# Altium PCB Netscale48HD_Sensorbar_Slave.PcbDoc (part 2 of 3)
Units mm, origin at the board's own origin, x right, y up, seen from the top; angles counter-clockwise.
Board outline 461.31 x 16.8 mm, 6 copper layers (Top Layer, PWR_Layer, Top_Signal_Layer, Bottom_Signal_Layer, GND_Layer, Bottom Layer), stack 0.778 mm thick; 214 components, 131 nets, 657 pads, 295 vias.
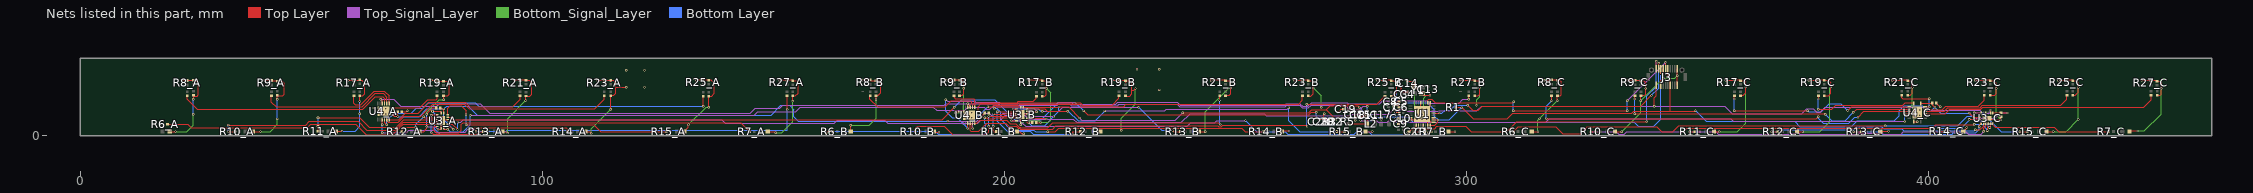
[diagram p6: the nets of this part, all layers, seen from the top]

## Via types
v1: diameter 0.5, hole 0.3, Top Layer to Bottom Layer, tented both sides, 239 vias
v2: diameter 0.6, hole 0.3, Top Layer to Bottom Layer, tented both sides, 24 vias
v3: diameter 0.55, hole 0.3, Top Layer to Bottom Layer, tented both sides, 23 vias
v4: diameter 0.55, hole 0.3, Top Layer to Bottom Layer, tented bottom, 9 vias

## Nets (pads, with @x,y where several pads share a name; then routed paths per layer and width w, separated by ;. In a path a pad name is that pad's centre, name@x,y a point inside that pad or via, vN(x,y) a via of type N, cw(c..) or ccw(c..) an arc to the next point about the centre after c; other vN are vias at no path point)
3V3: C28_A.2 C28_B.2 C28_C.2 C30_A.2 C30_B.2 C30_C.2 FB1.2 J3.12 J3.13 R1.2 R2.1 U1.16 U1.18 U1.19 U3_A.10 U3_A.16 U3_B.10 U3_B.16 U3_C.10 U3_C.16 U4_A.16 U4_B.16 U4_C.16 | length 428.2
  Top Layer w0.254: U4_A.16@67.567,4.55 67.905,4.212 68.694,4.212 C28_A.2@68.694,5.25 ; C30_A.2@77.912,6.05 78.112,5.85 v1(78.642,5.85) U3_A.16@78.642,4.95 ; U3_A.10@79.542,2.05 79.565,2.027 80.072,2.027 v1(80.681,1.418) ; U4_B.16@194.317,3.737 194.602,3.737 v1(195.089,4.224) 195.089,4.299 195.733,4.943 C28_B.2@195.733,4.973 ; U3_B.16@204.048,6.223 204.048,6.227 204.071,6.25 211.78,6.25 v1(211.805,6.276) 213.893,6.276 v1(216.292,3.877) ; U3_B.10@204.948,3.323 204.953,3.317 204.953,2.836 v1(205.311,2.836) 205.981,2.836 C30_B.2@206.04,2.896 ; v1(238.577,5.012) 265.872,5.012 266.486,5.626 268.066,5.626 268.072,5.62 269.651,5.62 ; R2.1@271.672,3.599 269.651,5.62 ; v1(276.773,6.168) 276.443,6.498 270.53,6.498 269.651,5.62 ; v1(284.652,5.121) 284.698,5.075 285.395,5.075 FB1.2@285.441,5.029 ; U1.16@292.14,2.233 292.14,2.263 292.153,2.276 293.139,2.276 293.802,2.939 293.802,3.407 v1(293.849,3.454) 293.119,3.454 U1.18@293.115,3.458 ; U1.18@292.865,3.458 U1.19@292.865,3.958 ; R1.2@297.699,6.223 297.727,6.196 298.95,6.196 301.423,3.723 308.801,3.723 309.992,4.914 335.804,4.914 336.211,5.322 344.123,5.322 ; J3.12@343.6,14.55 343.6,13 344.1,12.5 J3.13@344.1,10.95 344.123,10.927 344.123,5.322 ; v1(349.592,5.474) 349.44,5.322 344.123,5.322 ; U4_C.16@398.318,7.043 398.318,7.087 398.331,7.1 C28_C.2@400.818,7.1 400.961,6.957 400.961,6.625 v1(401.408,6.178) ; v1(408.858,4.958) 409.751,4.066 U3_C.16@411.042,4.066 ; U3_C.10@413.942,4.966 413.947,4.971 415.687,4.971 C30_C.2@415.692,4.976 v1(417.093,4.976)
  Top_Signal_Layer w0.254: v1(187.708,3.223) 194.021,3.223 195.022,4.224 v1(195.089,4.224) 195.752,4.887 196.7,4.887 197.363,4.224 199.091,4.224 199.754,4.887 204.926,4.887 205.6,4.212 210.703,4.212 v1(210.715,4.224) ; v1(216.292,3.877) 216.778,3.391 236.956,3.391 v1(238.577,5.012) ; v1(408.858,4.958) 410.006,3.81 414.387,3.81 415.553,4.976 v1(417.093,4.976)
  Bottom Layer w0.254: v1(68.706,4.2) 73.301,4.2 74.987,5.886 78.606,5.886 v1(78.642,5.85) ; v1(80.681,1.418) 78.642,3.457 v1(78.642,5.85) ; v1(187.708,3.223) 155.355,3.223 154.459,4.119 154.459,5.708 153.551,6.617 151.623,6.617 149.517,4.51 85.91,4.51 83.943,6.478 79.27,6.478 v1(78.642,5.85) ; v1(205.311,2.836) 205.906,2.241 208.732,2.241 211.805,5.314 v1(211.805,6.276) ; v1(276.773,6.168) 276.773,6.162 276.779,6.162 278.233,4.708 284.24,4.708 v1(284.652,5.121) 286.708,7.176 291.548,7.176 293.037,5.687 293.037,4.267 v1(293.849,3.454) 296.264,3.454 v1(298.977,6.168) ; v1(349.592,5.474) 351.923,3.143 371.057,3.143 372.192,2.008 383.332,2.008 384.589,3.265 392.562,3.265 393.694,4.397 393.694,5.469 394.797,6.572 398.661,6.572 399.89,5.343 400.575,5.343 400.575,5.345 v1(401.408,6.178) 402.628,4.958 v1(408.858,4.958)
B11_A: C31_A.1 U4_A.4 | length 46.5
  Top Layer w0.152: C31_A.1@23.145,8.641 C31_A.1@23.206,8.579 ; C31_A.1@23.156,8.403 23.156,7.923 25.329,5.75 61.147,5.75 63.846,8.449 65.443,8.449 65.842,8.05 U4_A.4@65.842,7.025
B11_B: C31_B.1 U4_B.4 | length 25.2
  Top Layer w0.152: C31_B.1@170.898,8.508 170.898,7.953 172.534,6.317 187.152,6.317 188.5,7.664 192.647,7.664 192.926,7.385 192.926,7.103 192.528,6.705 U4_B.4@192.528,6.276
B11_C: C31_C.1 U4_C.4 | length 86
  Top Layer w0.152: v1(317.262,3.787) 317.285,3.764 375.745,3.764 v1(376.159,4.178) ; v1(318.428,7.641) C31_C.1@318.428,8.712 ; v1(384.762,4.076) 386.004,5.318 U4_C.4@395.843,5.318
  Bottom Layer w0.152: v1(317.262,3.787) 317.262,6.476 v1(318.428,7.641) ; v1(376.159,4.178) 376.159,3.839 377.235,2.763 382.76,2.763 384.073,4.076 v1(384.762,4.076)
B12_A: C37_A.1 U4_A.3 | length 29.6
  Top Layer w0.152: C37_A.1@41.365,8.68 41.365,7.335 42.376,6.325 61.001,6.325 63.867,9.19 65.57,9.19 66.342,8.418 U4_A.3@66.342,7.025
B12_B: C37_B.1 U4_B.3 | length 6.9
  Top Layer w0.152: C37_B.1@189.092,8.763 189.092,8.365 189.36,8.097 193.318,8.097 193.592,7.823 193.592,7.229 193.156,6.793 193.156,6.276 U4_B.3@193.092,6.212
B12_C: C37_C.1 U4_C.3 | length 65.1
  Top Layer w0.152: v1(336.429,4.795) 377.564,4.795 v1(377.64,4.719) ; v1(336.429,7.99) 336.429,8.708 C37_C.1@336.485,8.763 ; v1(383.745,5.098) 384.465,5.818 U4_C.3@395.843,5.818
  Bottom Layer w0.152: v1(336.429,4.795) v1(336.429,7.99) ; v1(377.64,4.719) 379.043,3.316 381.963,3.316 v1(383.745,5.098)
B13_A: C32_A.1 U4_A.2 | length 12.7
  Top Layer w0.152: C32_A.1@59.212,8.706 59.212,7.045 59.501,6.756 60.654,6.756 63.606,9.708 65.779,9.708 66.842,8.646 66.842,7.095 66.867,7.07 66.842,7.045 U4_A.2@66.842,7.025
B13_B: C32_B.1 U4_B.2 | length 15.1
  Top Layer w0.152: U4_B.2@193.592,6.212 193.592,6.794 194.014,7.217 202.779,7.217 203.019,7.456 206.254,7.456 206.912,8.114 206.912,8.712 C32_B.1@206.927,8.712
B13_C: C32_C.1 U4_C.2 | length 43
  Top Layer w0.152: v1(357.983,5.461) v1(373.9,5.46) ; C32_C.1@357.992,8.789 357.983,8.779 358.008,8.754 v1(358.008,7.995) ; v1(382.539,5.501) 383.357,6.318 U4_C.2@395.843,6.318
  Bottom Layer w0.152: v1(357.983,5.461) 357.983,7.969 v1(358.008,7.995) ; v1(373.9,5.46) 374.087,5.274 376.842,5.274 378.553,6.985 381.055,6.985 v1(382.539,5.501)
B14_A: C39_A.1 U4_A.1 | length 11.2
  Top Layer w0.152: U4_A.1@67.567,6.05 73.431,6.05 75.193,7.812 77.005,7.812 77.202,8.009 C39_A.1@77.202,8.666 C39_A.1@77.202,8.735
B14_B: C39_B.1 U4_B.1 | length 33.3
  Top Layer w0.152: U4_B.1@194.317,5.237 194.317,6.317 194.915,6.914 202.904,6.914 203.144,7.154 216.447,7.154 216.982,6.619 223.3,6.619 224.791,8.11 C39_B.1@224.791,8.678
B14_C: C39_C.1 U4_C.1 | length 24.3
  Top Layer w0.152: v1(376.159,5.75) 379.066,5.75 379.941,6.625 394.426,6.625 395.021,7.221 U4_C.1@396.818,7.221 ; C39_C.1@376.194,8.747 376.218,8.723 v1(376.218,7.995)
  Bottom Layer w0.152: v1(376.159,5.75) 376.159,7.936 v1(376.218,7.995)
B15_A: C46_A.1 U4_A.15 | length 31.8
  Top Layer w0.152: U4_A.15@66.842,3.475 68.917,3.475 70.343,4.902 73.17,4.902 75.542,7.274 83.327,7.274 84.286,6.316 93.588,6.316 95.166,7.894 C46_A.1@95.166,8.668 C46_A.1@95.166,8.788
B15_B: C46_B.1 U4_B.15 | length 61
  Top Layer w0.152: U4_B.15@193.592,2.762 193.599,2.755 194.052,2.755 194.647,3.35 200.529,3.35 201.255,2.623 202.492,2.623 203.187,1.929 203.417,1.929 203.581,1.764 209.363,1.764 210.434,2.836 246.314,2.836 v1(246.69,2.46) ; U4_B.15@193.592,3.047 U4_B.15@193.656,3.111 ; v1(246.564,7.687) C46_B.1@246.564,8.751
  Bottom Layer w0.152: v1(246.564,7.687) 246.627,7.624 246.627,2.523 v1(246.69,2.46)
B15_C: C46_C.1 U4_C.15 | length 9
  Top Layer w0.152: C46_C.1@394.233,8.693 394.233,8.318 394.473,8.078 v1@400.146,8.078 ; U4_C.15@399.293,6.318 v1(400.18,6.318)
  Bottom Layer w0.152: v1(400.146,8.076) 400.163,8.059 400.163,6.335 v1(400.18,6.318)
B16_A: C53_A.1 U4_A.14 | length 51.3
  Top Layer w0.152: U4_A.14@66.342,3.575 66.406,3.511 66.406,3.126 66.608,2.924 68.848,2.924 70.147,4.223 73.667,4.223 76.281,6.837 83.131,6.837 84.137,5.831 111.327,5.831 113.413,7.918 C53_A.1@113.413,8.714
B16_B: C53_B.1 U4_B.14 | length 77.2
  Top Layer w0.152: U4_B.14@193.092,2.762 193.092,1.771 v1@193.156,1.708 ; v1(196.432,6.317) 197.377,6.317 197.672,6.612 203.03,6.612 203.269,6.852 216.147,6.852 216.682,6.317 225.783,6.317 226.318,6.852 263.66,6.852 264.495,7.687 C53_B.1@264.495,8.693 C53_B.1@264.495,8.763
  Bottom Layer w0.152: v1@193.156,1.708 193.156,2.993 196.432,6.269 v1(196.432,6.317)
  other v1: 193.156,1.624
B16_C: C53_C.1 U4_C.14 | length 14.7
  Top Layer w0.152: U4_C.14@399.293,5.818 400.534,5.818 400.714,5.637 402.964,5.637 403.75,6.423 410.815,6.423 412.092,7.7 ; 412.092,7.75 C53_C.1@412.092,8.687
B17_A: C60_A.1 U4_A.13 | length 75
  Top Layer w0.152: U4_A.13@65.846,3.576 65.846,2.896 v1(66.342,2.4) ; v1(134.828,6.452) 134.828,8.613 C60_A.1@134.839,8.624 C60_A.1@134.839,8.784
  Bottom Layer w0.152: v1(66.342,2.4) 66.342,3.36 67.926,4.944 71.599,4.944 72.699,6.044 74.125,6.044 75.256,7.176 85.519,7.176 86.243,6.452 v1(134.828,6.452)
B17_B: C60_B.1 U4_B.13 | length 98.8
  Top Layer w0.152: U4_B.13@192.596,2.763 192.586,2.753 192.586,1.211 192.732,1.065 194.493,1.065 196.194,2.767 200.261,2.767 200.905,2.123 202.535,2.123 203.032,1.626 203.292,1.626 203.424,1.494 203.424,1.462 210.411,1.462 211.134,2.185 246.192,2.185 246.394,1.984 246.887,1.984 247.227,2.324 265.28,2.324 v1(265.507,2.098) ; v1(265.455,6.857) 265.504,6.907 280.643,6.907 C60_B.1@282.354,8.619
  Bottom Layer w0.152: v1(265.455,6.857) 265.481,6.831 265.481,2.124 v1(265.507,2.098)
B17_C: C60_C.1 U4_C.13 | length 32.2
  Top Layer w0.152: 399.717,5.292 400.133,5.292 400.138,5.297 403.381,5.297 404.204,6.121 411.157,6.121 411.654,6.618 428.687,6.618 429.971,7.902 C60_C.1@429.971,8.722
B18_A: C67_A.1 U4_A.12 | length 98.9
  Top Layer w0.152: v3@65.317,2.465 65.342,2.49 65.329,2.502 65.329,3.563 U4_A.12@65.342,3.575 ; C67_A.1@152.942,8.71 152.969,8.684 v1(152.969,5.707)
  Top_Signal_Layer w0.152: v1(65.348,0.711) 70.54,0.711 71.03,1.201 76.471,1.201 76.848,0.824 83.26,0.824 83.854,1.418 85.232,1.418 v1(85.634,1.016)
  Bottom Layer w0.152: v3@65.317,2.515 65.348,2.484 v1(65.348,0.711) ; v1(85.634,1.016) 92.205,1.016 92.375,1.186 152.879,1.186 152.969,1.275 v1(152.969,5.707)
  other v3: 65.317,2.425
B18_B: C67_B.1 U4_B.12 | length 126.8
  Top Layer w0.152: v1(192.092,1.624) U4_B.12@192.092,2.762 ; v1(300.516,7.939) C67_B.1@300.516,8.719 C67_B.1@300.516,8.789
  Top_Signal_Layer w0.152: v1(187.339,7.823) 187.695,7.467 193.631,7.467 193.805,7.293 198.924,7.293 199.303,6.914 211.275,6.914 211.654,7.293 214.522,7.293 214.933,6.882 224.095,6.882 224.513,7.3 237.434,7.3 238.048,6.686 260.762,6.686 261.047,6.971 263.966,6.971 264.556,6.381 265.689,6.381 266.491,7.183 274.181,7.183 274.448,6.916 281.188,6.916 281.914,7.641 291.525,7.641 292.066,7.1 298.401,7.1 299.24,7.939 v1(300.516,7.939)
  Bottom Layer w0.152: v1(187.339,7.823) 187.339,5.307 188.709,3.937 189.779,3.937 v1(192.092,1.624)
B18_C: C67_C.1 U4_C.12 | length 50.7
  Top Layer w0.152: U4_C.12@399.717,4.818 403.655,4.818 404.655,5.818 411.352,5.818 411.712,6.178 446.565,6.178 448.177,7.791 C67_C.1@448.177,8.768
BG: C1.2 C2.2 U1.11 | length 2.5
  Top Layer w0.152: C2.2@288.807,0.934 C1.2@289.89,0.934 289.9,0.944 289.9,1.289 289.64,1.549 289.64,2.227 U1.11@289.633,2.234
CLK: J3.10 U1.26 | length 61.5
  Top Layer w0.152: U1.26@291.64,7.183 291.64,7.704 291.879,7.943 292.51,7.943 293.269,7.183 309.994,7.183 v1(310.227,7.417) ; v1(310.15,5.474) 310.163,5.461 v1(334.825,5.461) ; J3.10@343.1,14.55 v1(343.1,15.916)
  Top_Signal_Layer w0.152: v1(334.816,7.641) 334.825,7.641 v1(343.1,15.916)
  Bottom Layer w0.152: v1(310.15,5.474) 310.15,7.339 v1(310.227,7.417) ; v1(334.816,7.641) 334.816,5.471 v1(334.825,5.461)
CS: J3.4 U1.21 | length 58.3
  Top Layer w0.152: U1.21@293.115,4.958 v1(294.172,4.958) ; v1(300.29,6.666) 301.358,5.598 302.585,5.598 303.419,6.433 337.728,6.433 v1(340.05,8.754) ; J3.4@341.6,14.55 v1(341.6,15.766)
  Bottom Layer w0.152: v1(294.172,4.958) 294.229,4.902 294.703,4.902 295.364,5.563 296.473,5.563 297.584,6.674 300.282,6.674 v1(300.29,6.666) ; v1(340.05,8.754) 341.6,10.304 v1(341.6,15.766)
GND: C1.1 C2.1 C3.1 C4.1 C5.1 C6.1 C7.1 C8.1 C9.1 C10.1 C13.1 C14.1 C17.1 C18.1 C19.1 C20.1 C21.1 C28_A.1 C28_B.1 C28_C.1 C30_A.1 C30_B.1 C30_C.1 C33_A.1 C33_B.1 C33_C.1 C34_A.1 C34_B.1 C34_C.1 C35_A.1 C35_B.1 C35_C.1 C36_A.1 C36_B.1 C36_C.1 C38_A.1 C38_B.1 C38_C.1 C40_A.1 C40_B.1 C40_C.1 C42_A.1 C42_B.1 C42_C.1 C43_A.1 C43_B.1 C43_C.1 C49_A.1 C49_B.1 C49_C.1 C50_A.1 C50_B.1 C50_C.1 C56_A.1 C56_B.1 C56_C.1 C57_A.1 C57_B.1 C57_C.1 C63_A.1 C63_B.1 C63_C.1 C64_A.1 C64_B.1 C64_C.1 C70_A.1 C70_B.1 C70_C.1 C71_A.1 C71_B.1 C71_C.1 J3.5 J3.8 J3.19 J3.20 LED1_A.1 LED1_B.1 LED1_C.1 LED2_A.1 LED2_B.1 LED2_C.1 LED3_A.1 LED3_B.1 LED3_C.1 LED4_A.1 LED4_B.1 LED4_C.1 LED5_A.1 LED5_B.1 LED5_C.1 LED6_A.1 LED6_B.1 LED6_C.1 LED7_A.1 LED7_B.1 LED7_C.1 LED8_A.1 LED8_B.1 LED8_C.1 R3.2 R8_A.1 R8_B.1 R8_C.1 R9_A.1 R9_B.1 R9_C.1 R17_A.1 R17_B.1 R17_C.1 R19_A.1 R19_B.1 R19_C.1 R21_A.1 R21_B.1 R21_C.1 R23_A.1 R23_B.1 R23_C.1 R25_A.1 R25_B.1 R25_C.1 R27_A.1 R27_B.1 R27_C.1 U1.6 U1.7 U1.10 U1.15 U1.17 U1.25 U1.29 U3_A.8 U3_A.13 U3_A.17 U3_B.8 U3_B.13 U3_B.17 U3_C.8 U3_C.13 U3_C.17 U4_A.8 U4_A.17 U4_B.8 U4_B.17 U4_C.8 U4_C.17 U5_A.2 U5_B.2 U5_C.2 U6_A.2 U6_B.2 U6_C.2 U7_A.2 U7_B.2 U7_C.2 U9_A.2 U9_B.2 U9_C.2 U11_A.2 U11_B.2 U11_C.2 U13_A.2 U13_B.2 U13_C.2 U15_A.2 U15_B.2 U15_C.2 U17_A.2 U17_B.2 U17_C.2 Y1.2 Y1.4 | length 550.2
  Top Layer w0.152: LED1_A.1@19.349,0.95 v1(20.587,0.95) ; U5_A.2@22.031,12.086 24.474,12.086 C34_A.1@24.492,12.068 24.864,12.068 25.542,11.391 25.542,8.868 25.315,8.641 C33_A.1@24.492,8.641 ; v1(24.461,7.933) 24.492,7.963 C33_A.1@24.492,8.641 ; C33_A.1@24.492,8.768 C33_A.1@24.492,8.641 ; LED2_A.1@37.334,0.95 v1(38.994,0.95) ; U6_A.2@40.046,12.088 41.355,12.088 41.36,12.093 41.522,11.932 43.601,11.932 44.087,11.445 44.087,9.04 43.757,8.709 C40_A.1@42.635,8.709 ; v1(42.635,7.963) C40_A.1@42.635,8.709 ; C40_A.1@42.635,8.76 C40_A.1@42.635,8.709 ; LED3_A.1@55.34,1.029 55.365,1.054 v1(56.65,1.054) ; U7_A.2@57.938,12.097 59.206,12.097 59.212,12.103 60.941,12.103 61.526,11.518 61.526,9.165 61.096,8.735 C36_A.1@60.482,8.735 ; v1(60.47,7.45) 60.47,8.723 C36_A.1@60.482,8.735 ; C36_A.1@60.482,8.786 C36_A.1@60.482,8.735 ; C28_A.1@69.554,5.25 70.568,5.25 v1(70.792,5.474) ; LED4_A.1@73.349,0.95 74.334,0.95 74.995,1.612 v1(74.995,2.026) ; v1(74.995,4.687) 74.995,4.819 76.226,6.05 C30_A.1@77.052,6.05 ; U9_A.2@75.962,12.081 75.977,12.066 77.242,12.066 77.44,11.868 C43_A.1@78.593,11.868 79.539,11.868 79.842,11.566 79.842,9.005 79.559,8.722 C42_A.1@78.642,8.722 ; v1(77.401,1.418) 77.41,1.426 78.068,1.426 78.142,1.5 U3_A.8@78.142,1.65 78.142,3.05 U3_A.17@78.392,3.3 78.642,3.55 U3_A.13@79.542,3.55 ; C42_A.1@78.593,8.772 78.642,8.723 C42_A.1@78.642,8.722 ; v1(78.642,7.812) C42_A.1@78.642,8.722 ; LED5_A.1@91.34,0.95 92.176,0.95 92.482,0.644 v1(92.482,0.62) ; U11_A.2@94.097,12.138 94.103,12.132 96.29,12.132 96.436,11.986 C50_A.1@96.489,11.986 ; v1(96.427,7.678) 96.427,8.644 C49_A.1@96.436,8.644 97.293,8.644 97.683,9.034 97.683,11.496 97.141,12.038 C50_A.1@96.436,12.038 ; LED6_A.1@109.346,0.95 109.407,0.889 110.235,0.889 110.583,0.541 v1(110.583,0.513) ; U13_A.2@112.079,12.089 113.38,12.089 R23_A.1@113.413,12.056 ; R23_A.1@113.413,12.02 113.441,12.048 C57_A.1@114.795,12.048 ; v1(114.79,5.795) 114.795,5.8 C56_A.1@114.795,8.719 114.795,8.789 115.459,8.789 115.889,9.219 115.889,10.518 ; C57_A.1@114.795,11.868 114.975,12.048 115.36,12.048 115.889,11.52 115.889,10.518 ; v1(118.156,10.518) 115.889,10.518 ; LED7_A.1@130.728,0.95 131.62,1.842 v1(131.62,2.41) ; 133.675,12.138 134.83,12.138 R25_A.1@134.839,12.147 136.489,12.147 137.198,11.438 137.198,9.189 136.622,8.613 136.007,8.613 v1(136.007,6.218) ; LED8_A.1@148.769,0.95 150.243,0.95 v1(150.483,0.71) ; U17_A.2@151.639,12.138 151.655,12.122 R27_A.1@152.942,12.122 154.035,12.122 C71_A.1@154.187,11.97 155.105,11.97 155.348,11.726 155.348,9.292 154.777,8.721 C70_A.1@154.187,8.719 C70_A.1@154.187,8.719 v1(154.187,7.544) ; LED1_B.1@166.748,0.95 v1(166.748,2.337) ; 169.668,12.138 170.932,12.138 R8_B.1@170.942,12.147 171.094,11.995 C33_B.1@172.212,11.995 172.818,11.995 173.191,11.622 173.191,9.3 172.672,8.781 172.188,8.781 172.212,8.757 C34_B.1@172.212,8.705 v1(172.212,7.823) ; LED2_B.1@184.711,0.95 184.844,0.818 v1(185.835,0.818) ; U6_B.2@187.639,12.138 187.655,12.122 R9_B.1@189.092,12.122 190.89,12.122 191.232,11.78 v1(191.232,10.337) 191.232,9.123 190.872,8.763 C40_B.1@190.286,8.763 ; v1(189.377,5.037) 189.456,5.037 189.656,5.237 U4_B.8@190.367,5.237 ; LED3_B.1@202.748,0.95 203.269,0.95 203.719,0.5 v1(204.198,0.5) ; v1(203.548,2.405) U3_B.8@203.548,2.923 203.548,4.323 U3_B.17@203.798,4.573 204.048,4.823 U3_B.13@204.948,4.823 ; U7_B.2@205.64,12.138 206.918,12.138 R17_B.1@206.927,12.147 208.045,12.147 C36_B.1@208.197,11.995 208.823,11.995 209.036,11.783 v1(209.036,10.337) 209.036,8.913 208.766,8.643 C35_B.1@208.197,8.643 ; C30_B.1@206.9,2.896 207.87,2.896 v1(207.897,2.923) ; U9_B.2@223.347,12.072 R19_B.1@224.788,12.072 225.893,12.072 226.318,11.647 ; C42_B.1@226.199,11.937 226.257,11.995 227.141,11.995 227.598,11.537 227.598,9.91 ; C43_B.1@226.199,8.662 226.219,8.643 227.15,8.643 227.598,9.091 227.598,9.91 ; v1(228.36,10.26) 228.01,9.91 227.598,9.91 ; LED5_B.1@242.155,0.95 242.171,0.934 v1(243.478,0.934) ; U11_B.2@244.757,12.078 244.757,12.113 244.732,12.138 244.741,12.147 R21_B.1@246.593,12.147 247.711,12.147 C49_B.1@247.863,11.995 248.706,11.995 249.016,11.685 v1(249.016,10.38) 249.016,9.623 248.987,9.595 248.987,9.142 248.625,8.78 C50_B.1@247.863,8.78 ; LED6_B.1@260.097,0.95 260.219,1.072 v1(261.611,1.072) ; U13_B.2@262.749,12.078 264.426,12.078 R23_B.1@264.495,12.147 265.613,12.147 C56_B.1@265.765,11.995 266.578,11.995 266.863,11.71 266.863,11.584 266.858,11.578 v1(266.858,10.38) 266.858,9.633 266.849,9.625 266.849,9.134 266.334,8.619 265.91,8.619 C57_B.1@265.765,8.763 ; C21.1@267.986,3.521 268.085,3.62 C20.1@269.145,3.62 ; v1(269.196,4.829) 269.17,4.803 269.17,3.844 269.165,3.839 269.145,3.839 C20.1@269.145,3.62 ; R3.2@270.402,3.599 R3.2@270.377,3.599 269.166,3.599 C20.1@269.145,3.62 ; v1(272.172,5.099) 272.882,5.808 C19.1@273.34,5.808 ; v1(275.937,3.384) 275.937,3.972 C18.1@275.937,4.167 ; LED7_B.1@278.15,0.95 278.16,0.96 v1(279.637,0.96) ; U15_B.2@280.759,12.078 282.329,12.078 R25_B.1@282.399,12.147 283.568,12.147 C64_B.1@283.72,11.995 284.271,11.995 284.87,11.396 284.87,11.079 284.87,10.972 284.937,10.905 285.261,10.905 285.871,10.296 C3.1@285.871,9.554 287.071,9.554 C4.1@287.254,9.371 ; C17.1@281.527,4.167 281.541,4.154 v1(281.541,3.596) ; C63_B.1@283.72,8.763 284.224,8.763 284.87,9.409 v1(284.87,10.865) ; C8.1@284.079,7.424 284.158,7.344 C7.1@284.158,6.246 ; C8.1@284.142,7.417 285.299,7.417 285.299,6.39 C6.1@285.466,6.223 ; C7.1@284.275,6.244 C7.1@284.325,6.244 ; v1(284.652,3.723) 285.379,3.723 285.466,3.81 C9.1@285.466,2.591 ; v1(284.808,6.731) 284.808,7.413 ; v1@284.836,6.755 v1@284.894,6.755 ; C14.1@287.276,11.853 287.337,11.792 v1(288.78,11.792) ; C2.1@287.611,0.939 287.647,0.939 288.036,1.329 288.036,1.365 288.138,1.467 288.407,1.467 288.515,1.574 288.909,1.574 ; U1.6@288.165,3.958 288.165,3.458 U1.10@289.39,3.458 ; Y1.2@288.78,10.57 v1(288.78,11.792) ; v1@288.802,11.795 288.799,11.792 v1(288.78,11.792) ; 288.881,1.559 288.894,1.559 288.909,1.574 ; U1.10@289.14,2.233 289.076,2.169 289.076,1.741 288.909,1.574 ; U1.10@289.534,3.602 U1.10@290.515,4.583 ; U1.29@290.14,7.183 290.14,6.058 v4(290.39,5.808) U1.10@290.39,4.958 ; Y1.4@290.387,9.27 290.811,8.847 291.784,8.847 291.842,8.789 ; C1.1@290.89,0.934 290.89,0.905 C1.1@290.906,0.889 ; U1.10@291.46,3.638 U1.10@290.515,4.583 ; U1.15@291.64,2.233 U1.10@291.64,3.458 ; C13.1@291.673,9.705 292.115,9.263 v1(292.115,8.789) ; U1.10@291.89,3.458 292.39,2.958 U1.17@292.865,2.958 U1.17@293.115,2.958 ; U1.25@292.14,7.183 292.14,6.458 v4(290.39,4.708) U1.10@290.515,4.583 ; LED8_B.1@296.14,0.934 v1(297.518,0.934) ; U17_B.2@298.749,12.088 300.457,12.088 R27_B.1@300.516,12.147 301.635,12.147 C71_B.1@301.786,11.995 302.634,11.995 302.837,11.792 v1(302.837,10.43) 302.837,9.068 302.509,8.74 C70_B.1@301.786,8.74 ; LED1_C.1@314.153,0.95 314.213,0.889 v1(315.482,0.889) ; U5_C.2@316.753,12.068 318.323,12.068 R8_C.1@318.428,12.172 319.546,12.172 C34_C.1@319.698,12.021 320.235,12.021 320.484,11.771 320.484,8.911 320.292,8.719 C33_C.1@319.698,8.719 v1(319.698,7.641) ; LED2_C.1@332.15,0.95 332.211,0.889 v1(333.6,0.889) ; U6_C.2@334.749,12.078 334.756,12.071 R9_C.1@336.485,12.071 337.603,12.071 C38_C.1@337.755,11.919 338.398,11.919 338.78,11.536 v1(338.78,10.285) 338.78,9.033 338.51,8.763 C40_C.1@337.755,8.763 ; v1(337.741,7.641) 337.741,8.66 C40_C.1@337.755,8.673 ; J3.5@342.1,10.95 342.1,12 v1(342.6,12.5) J3.8@342.6,14.55 ; J3.19@345.6,10.95 v1(345.6,13) J3.20@345.6,14.55 ; LED3_C.1@353.55,0.95 353.554,0.946 v1(354.704,0.946) ; U7_C.2@356.162,12.068 357.913,12.068 R17_C.1@357.992,12.147 359.186,12.147 C35_C.1@359.338,11.995 360.229,11.995 360.474,11.751 v1(360.474,10.596) 360.474,9.311 359.935,8.772 C36_C.1@359.341,8.772 ; LED4_C.1@371.55,0.95 371.611,0.889 v1(372.834,0.889) ; U9_C.2@374.149,12.078 376.099,12.078 R19_C.1@376.194,12.172 377.312,12.172 C43_C.1@377.464,12.021 378.413,12.021 378.889,11.545 v1(378.889,10.596) 378.889,9.228 378.408,8.747 C42_C.1@377.464,8.747 ; LED5_C.1@389.692,1 391.345,1 v1(391.361,1.016) ; U11_C.2@392.157,12.078 394.164,12.078 R21_C.1@394.233,12.147 395.351,12.147 C49_C.1@395.503,11.995 396.268,11.995 396.543,11.72 v1(396.543,10.503) 396.543,9.286 396.055,8.798 C50_C.1@395.503,8.798 ; U4_C.8@396.818,3.093 v1(397.568,3.093) ; C28_C.1@401.678,7.1 401.678,7.07 402.405,6.343 v1(402.535,6.343) ; LED6_C.1@407.545,0.95 408.249,1.654 408.249,1.749 v1(408.316,1.816) ; U13_C.2@410.147,12.078 412.023,12.078 R23_C.1@412.092,12.147 413.21,12.147 C56_C.1@413.362,11.995 414.085,11.995 414.642,11.438 v1(414.642,10.275) 414.642,9.113 414.318,8.788 C57_C.1@413.362,8.788 ; U3_C.13@412.442,4.966 412.442,4.066 U3_C.17@412.692,3.816 412.942,3.566 U3_C.8@414.342,3.566 414.374,3.566 414.398,3.542 415.668,3.542 v1(415.692,3.518) C30_C.1@415.692,4.116 ; LED7_C.1@425.551,0.95 v1(426.987,0.95) ; U15_C.2@428.152,12.078 429.902,12.078 R25_C.1@429.971,12.147 431.089,12.147 C63_C.1@431.241,11.995 432.019,11.995 432.449,11.565 v1(432.449,10.489) 432.449,9.5 431.722,8.772 C64_C.1@431.241,8.772 ; LED8_C.1@443.55,0.95 443.521,0.95 443.643,1.072 v1(445.229,1.072) ; U17_C.2@446.16,12.078 446.238,12 R27_C.1@448.163,12 449.357,12 C71_C.1@449.488,11.868 450.074,11.868 450.392,11.55 v1(450.392,10.31) 450.392,9.07 450.167,8.844 C70_C.1@449.51,8.844
  Top_Signal_Layer w0.152: v1(74.995,2.026) 76.793,2.026 v1(77.401,1.418) ; v1@360.457,10.596 v1(360.474,10.596) ; v1(378.889,10.596) v1@378.954,10.596 ; v1(432.449,10.489) v1@432.456,10.489
  Bottom_Signal_Layer w0.152: v1(20.587,0.95) 23.076,0.95 24.461,2.335 v1(24.461,4.667) ; v1(38.994,0.95) 41.085,0.95 42.646,2.511 v1(42.646,3.683) ; v1(74.995,4.687) 74.995,5.172 77.636,7.812 v1(78.642,7.812) ; v1(92.482,0.62) 92.482,3.733 v1(96.427,7.678) ; v1(110.583,0.513) 110.583,1.588 v1(114.79,5.795) ; v1(131.62,2.41) 135.428,6.218 v1(136.007,6.218) ; v1(150.483,0.71) 151.855,0.71 154.187,3.042 v1(154.187,7.544) ; v1(166.748,2.337) 170.768,2.337 172.212,3.78 v1(172.212,7.823) ; v1(189.377,5.037) 190.439,5.037 191.232,5.83 v1(191.232,10.337) ; v1(203.548,2.405) 204.455,3.312 207.508,3.312 v1(207.897,2.923) 209.487,2.923 210.012,3.448 210.012,9.361 v1(209.036,10.337) ; v1(225.288,1.2) 225.288,3.829 228.36,6.901 v1(228.36,10.26) ; v1(243.478,0.934) 243.478,5.274 248.537,10.334 248.969,10.334 v1(249.016,10.38) ; v1(266.858,10.38) 268.553,8.685 v1(268.553,6.193) ; v1(288.78,11.792) 288.78,6.568 v4@289.387,5.961 ; v4@290.64,5.808 290.714,5.882 290.714,8.205 291.297,8.789 v1(292.115,8.789) ; v1(302.198,6.609) 302.198,7.815 302.837,8.454 v1(302.837,10.43) ; v1(315.482,0.889) 315.482,3.425 v1(315.843,3.787) v1(319.698,7.641) ; v1(333.6,0.889) 337.741,5.031 v1(337.741,7.641) v1(342.6,12.5) 345.1,12.5 v1(345.6,13) ; v1(354.704,0.946) 358.669,0.946 360.428,2.706 360.428,10.55 v1(360.474,10.596) ; v1(372.834,0.889) 376.501,0.889 378.64,3.028 378.64,10.347 v1(378.889,10.596) ; v1(396.543,10.503) 396.543,6.093 U4_C.17@397.018,5.618 ; v1(414.642,10.275) 414.642,4.568 v1(415.692,3.518) ; v1(426.987,0.95) 429.827,0.95 v1(432.443,3.566) 432.449,3.573 v1(432.449,10.489) ; v1(445.229,1.072) 446.74,1.072 450.392,4.724 v1(450.392,10.31)
  Bottom Layer w0.152: v1@24.461,4.452 v1(24.461,4.667) 24.461,7.862 24.391,7.933 v1(24.461,7.933) ; v1(42.635,7.963) 42.635,3.694 v1(42.646,3.683) ; v1(56.65,1.054) 59.447,1.054 60.47,2.078 v1(60.47,4.805) v1(60.47,7.45) ; v1(74.995,2.026) v1(74.995,4.687) ; v1(284.808,6.731) 284.87,6.794 v1(284.87,10.865)
  other v1: 287.321,0.72 291.19,1.134 233.547,9.96 122.103,10.518 118.156,14.195 122.103,14.195 228.704,14.462 233.547,14.462
  other v4: 289.29,3.596 290.39,3.596 291.418,3.596 291.418,4.696 289.29,4.708 289.29,5.808 291.418,5.808
HF: C11.1 C15.2 L2.2 R5.2 U4_A.5 U4_B.5 U4_C.5 | length 351.7
  Top Layer w0.152: v1(65.043,7.973) 65.342,7.674 U4_A.5@65.342,7.025 ; U4_B.5@192.092,6.212 v1(192.092,6.991) ; R5.2@274.343,2.599 274.351,2.591 L2.2@278.493,2.591 278.493,3.384 278.243,3.634 C11.1@278.243,4.437 ; v1(277.08,3.384) C15.2@277.08,4.115 277.505,4.115 277.828,4.437 C11.1@278.243,4.437 ; C11.1@278.243,4.444 C11.1@278.243,4.437 ; C11.1@278.243,4.455 278.243,5.151 v1(278.527,5.435) ; v1(394.889,4.818) U4_C.5@395.843,4.818
  Top_Signal_Layer w0.152: v1(65.043,7.973) 67.856,7.973 69.398,6.431 77.167,6.431 77.752,7.016 86.537,7.016 88.601,4.952 145.035,4.952 146.091,6.009 151.35,6.009 152.007,6.666 187.014,6.666 187.339,6.991 v1(192.092,6.991) 198.534,6.991 198.913,6.612 211.426,6.612 211.805,6.991 214.111,6.991 214.522,6.58 224.513,6.58 224.757,6.824 237.364,6.824 237.912,6.276 260.779,6.276 261.103,6.6 263.91,6.6 264.431,6.079 265.814,6.079 266.404,6.669 273.788,6.669 274.764,5.692 276.97,5.692 277.709,6.431 v1(278.527,6.431) ; v1@277.08,3.335 280.609,3.335 280.965,2.978 282.873,2.978 283.225,3.331 284.371,3.331 284.723,2.978 317.127,2.978 317.91,3.761 357.168,3.761 357.747,3.182 394.85,3.182 v1(394.889,3.143)
  Bottom Layer w0.152: v1(278.527,5.435) v1(278.527,6.431) ; v1(394.889,3.143) v1(394.889,4.818)
IRQ: J3.2 U1.13 | length 66.2
  Top Layer w0.152: U1.13@290.64,2.233 290.64,1.716 290.751,1.605 293.096,1.605 293.579,2.089 299.847,2.089 301.021,0.915 308.73,0.915 310.914,3.098 339.008,3.098 v1(339.053,3.143) ; J3.2@341.1,14.55 v1(341.1,16.206)
  Bottom Layer w0.152: v1(339.053,3.143) 339.053,8.651 341.1,10.698 v1(341.1,16.206)
Led1_A: R15_A.1 U3_A.15 | length 53
  Top Layer w0.152: U3_A.15@79.542,4.55 79.542,5.956 80.081,6.494 82.454,6.494 83.477,5.472 v1(83.477,4.617) ; v3(83.477,2.4) 111.157,2.4 112.607,0.95 R15_A.1@126.808,0.95
  Bottom Layer w0.152: v3(83.477,2.4) v1(83.477,4.617)
Led1_B: R15_B.1 U3_B.15 | length 74.7
  Top Layer w0.152: U3_B.15@204.948,5.823 204.978,5.853 208.76,5.853 209.237,5.377 v1(213.683,5.377) ; v3(271.972,0.96) R15_B.1@273.59,0.96
  Top_Signal_Layer w0.152: v1(221.732,5.41) 234.702,5.41 235.082,5.79 261.236,5.79 261.569,6.124 v1(261.579,6.124)
  Bottom Layer w0.152: v1(213.683,5.377) 213.855,5.377 215.955,3.277 219.622,3.277 221.732,5.387 v1(221.732,5.41) ; v1(261.579,6.124) 261.579,3.33 263.948,0.96 v3(271.972,0.96)
Led1_C: R15_C.1 U3_C.15 | length 14.6
  Top Layer w0.152: v3(409.952,4.966) U3_C.15@411.442,4.966 ; v3(419.807,0.905) 419.852,0.95 R15_C.1@421.39,0.95
  Bottom Layer w0.152: v3(409.952,4.966) 411.642,4.966 415.702,0.905 v3(419.807,0.905)
Led2_A: R14_A.1 U3_A.1 | length 36.9
  Top Layer w0.152: v3(76.219,5.334) 76.156,5.334 76.126,5.304 77.938,5.304 78.142,5.1 U3_A.1@78.142,4.95 ; v3(84.286,0.824) 85.26,1.798 105.163,1.798 105.463,1.498 R14_A.1@105.463,0.95
  Bottom Layer w0.152: v3(76.219,5.334) 76.75,4.804 76.75,1.396 77.284,0.862 77.312,0.862 77.81,0.363 83.825,0.363 v3(84.286,0.824)
Led2_B: R14_B.1 U3_B.1 | length 68.1
  Top Layer w0.152: v3(197.77,6) 197.782,6 197.858,5.924 198.244,6.309 203.474,6.309 203.548,6.236 U3_B.1@203.548,6.223 ; v1(209.363,0.878) 211.007,0.878 211.805,1.676 251.328,1.676 252.115,0.889 256.084,0.889 R14_B.1@256.129,0.934
  Bottom Layer w0.152: v3(197.77,6) 198.348,6 199.173,5.175 199.173,3.625 201.519,1.279 206.392,1.279 206.793,0.878 v1(209.363,0.878)
Led2_C: R14_C.1 U3_C.1 | length 10.8
  Top Layer w0.152: v3(402.405,1.657) 402.411,1.65 402.411,1.153 402.535,1.029 403.441,1.029 R14_C.1@403.47,1 ; v3(408.858,3.566) U3_C.1@411.042,3.566
  Bottom Layer w0.152: v3(402.405,1.657) 407.064,1.657 v3@408.742,3.335
Led3_A: R13_A.1 U3_A.2 | length 16.7
  Top Layer w0.152: v1(75.977,0.725) 76.38,0.322 85.824,0.322 86.39,0.889 R13_A.1@87.216,0.889 ; v3(75.977,4.475) 76.052,4.55 U3_A.2@77.242,4.55
  Bottom Layer w0.152: v1(75.977,0.725) v3(75.977,4.475)
Led3_B: R13_B.1 U3_B.2 | length 39.7
  Top Layer w0.152: v1(201.875,5.833) 201.885,5.823 U3_B.2@202.648,5.823 ; v1(236.421,1.189) 236.676,0.934 R13_B.1@238.077,0.934
  Top_Signal_Layer w0.152: v1(208.197,5.377) 211.734,5.377 212.58,6.223 v1(229.041,6.223)
  Bottom Layer w0.152: v1(201.875,5.833) 207.367,5.833 207.823,5.377 v1(208.197,5.377) ; v1(229.041,6.223) 234.075,1.189 v1(236.421,1.189)
Led3_C: R13_C.1 U3_C.2 | length 30.9
  Top Layer w0.152: v1(383.745,0.889) 385.172,0.889 ; v3(410.992,2.016) 410.992,2.316 411.442,2.766 U3_C.2@411.442,2.666
  Bottom Layer w0.152: v1(383.745,0.889) 389.646,0.889 390.136,0.398 405.13,0.398 405.416,0.684 410.251,0.684 410.992,1.425 v3(410.992,2.016)
Led4_A: R12_A.1 U3_A.3 | length 9.8
  Top Layer w0.152: R12_A.1@69.56,0.92 69.724,1.083 69.724,1.639 69.915,1.83 v3(72.642,1.83) ; v1(74.334,4.169) 74.528,3.974 77.166,3.974 U3_A.3@77.242,4.05
  Bottom Layer w0.152: v3(72.642,1.83) 72.642,2.476 v1(74.334,4.169)
Led4_B: R12_B.1 U3_B.3 | length 25.9
  Top Layer w0.152: v3(198.42,5.22) 198.471,5.271 202.596,5.271 U3_B.3@202.648,5.323 ; v1(214.761,0.41) 214.827,0.477 214.827,0.857 214.92,0.95 216.431,0.95 R12_B.1@216.447,0.934
  Bottom Layer w0.152: v3(198.42,5.22) 198.42,3.205 200.649,0.976 205.64,0.976 206.215,0.401 214.752,0.401 v1(214.761,0.41)
Led4_C: R12_C.1 U3_C.3 | length 48.9
  Top Layer w0.152: v1(366.09,0.889) R12_C.1@367.395,0.889 ; v1(410.122,1.315) 411.147,1.315 411.942,2.11 U3_C.3@411.942,2.666
  Bottom Layer w0.152: v1(366.09,0.889) 367.325,0.889 367.801,1.365 383.891,1.365 384.534,2.008 389.899,2.008 390.325,1.582 394.182,1.582 394.608,1.155 409.963,1.155 v1(410.122,1.315)
Led5_A: R11_A.1 U3_A.4 | length 30.2
  Top Layer w0.152: R11_A.1@51.44,1.029 v3(51.44,2.05) ; v3(51.44,3.9) 60.505,3.9 62.5,1.905 68.329,1.905 69.974,3.55 U3_A.4@77.242,3.55
  Bottom Layer w0.152: v3(51.44,2.05) v3(51.44,3.9)
Led5_B: R11_B.1 U3_B.4 | length 9.5
  Top Layer w0.152: v1(197.612,2.123) 197.612,1.076 197.738,0.95 R11_B.1@198.304,0.95 ; v1(197.629,4.762) 197.672,4.719 200.092,4.719 200.196,4.823 U3_B.4@202.648,4.823
  Bottom Layer w0.152: v1(197.612,2.123) 197.612,4.745 v1(197.629,4.762)
Led5_C: R11_C.1 U3_C.4 | length 67.9
  Top Layer w0.152: v1(348.277,0.889) R11_C.1@349.417,0.889 ; v3(411.992,1.016) 411.992,1.651 412.442,2.101 U3_C.4@412.442,2.666
  Top_Signal_Layer w0.152: v1(348.277,0.889) 354.017,0.889 354.493,0.413 370.186,0.413 370.398,0.624 371.891,0.624 372.103,0.413 384.809,0.413 385.021,0.625 390.048,0.625 390.275,0.398 394.074,0.398 394.574,0.899 408.102,0.899 408.603,0.398 411.374,0.398 v3(411.992,1.016)
Led6_A: R10_A.1 U3_A.5 | length 49.9
  Top Layer w0.152: v1(32.014,0.95) R10_A.1@33.444,0.95 ; v1(32.014,2.36) 48.779,2.36 49.545,3.126 60.099,3.126 61.962,1.264 68.188,1.264 69.935,3.01 77.202,3.01 U3_A.5@77.242,3.05
  Bottom Layer w0.152: v1(32.014,0.95) v1(32.014,2.36)
Led6_B: R10_B.1 U3_B.5 | length 27.2
  Top Layer w0.152: R10_B.1@180.712,0.95 180.712,1.621 181.148,2.057 186.967,2.057 188.792,0.233 195.927,0.233 196.628,0.934 v1(196.628,2.123) ; v1(196.629,4.212) 196.685,4.267 202.592,4.267 U3_B.5@202.648,4.323
  Bottom Layer w0.152: v1(196.628,2.123) v1(196.629,4.212) v1(196.629,4.212)
Led6_C: R10_C.1 U3_C.5 | length 90.5
  Top Layer w0.152: v1(326.774,0.889) 327.911,0.889 R10_C.1@327.937,0.915 ; v1(346.949,0.889) 347.716,1.657 400.819,1.657 401.628,2.466 409.842,2.466 v3(409.892,2.516) ; v3(412.742,1.166) 412.791,1.215 412.791,2.023 412.942,2.175 U3_C.5@412.942,2.666
  Top_Signal_Layer w0.152: v1(326.774,0.889) 332.463,0.889 332.954,0.398 334.201,0.398 334.692,0.889 v1(346.949,0.889)
  Bottom Layer w0.152: v3(409.892,2.516) 410.783,2.516 410.784,2.517 411.2,2.517 411.201,2.516 411.628,2.516 412.666,1.478 412.666,1.242 v3(412.742,1.166)
Led7_A: R6_A.1 U3_A.6 | length 60.9
  Top Layer w0.152: R6_A.1@18.872,2.514 23.269,2.514 24.013,1.77 49.074,1.77 49.856,2.551 59.555,2.551 61.871,0.235 67.587,0.235 69.902,2.55 U3_A.6@77.242,2.55
Led7_B: R6_B.1 U3_B.6 | length 46.9
  Top Layer w0.152: v1(161.479,0.71) 161.516,0.71 161.836,1.03 162.718,1.03 R6_B.1@162.798,0.95 ; v1(195.752,3.937) 196.231,3.937 196.432,3.736 197.797,3.736 197.998,3.937 202.534,3.937 U3_B.6@202.648,3.823
  Bottom Layer w0.152: v1(161.479,0.71) 161.745,0.976 185.003,0.976 185.638,0.341 195.589,0.341 195.939,0.692 195.939,2.512 195.752,2.699 v1(195.752,3.937)
Led7_C: R6_C.1 U3_C.6 | length 108.6
  Top Layer w0.152: R6_C.1@310.161,0.945 311.195,1.979 319.363,1.979 320.88,0.462 324.641,0.462 326.142,1.963 341.201,1.963 342.286,0.879 344.672,0.879 345.954,2.161 v3(390.647,2.161) ; v3(413.292,1.816) 413.442,1.966 U3_C.6@413.442,2.666
  Bottom Layer w0.152: v3(390.647,2.161) 406.35,2.161 408.41,4.221 409.499,4.221 410.385,3.335 411.773,3.335 v3(413.292,1.816)
Led8_A: R7_A.1 U3_A.7 | length 72.5
  Top Layer w0.152: U3_A.7@77.242,2.05 76.728,2.05 76.38,1.702 76.38,1.354 77.009,0.725 81.879,0.725 82.412,1.258 82.412,2.491 82.823,2.901 142.887,2.901 R7_A.1@144.838,0.95
Led8_B: R7_B.1 U3_B.7 | length 95.3
  Top Layer w0.152: v1(201.505,3.323) U3_B.7@202.648,3.323 ; v1(291.732,0.709) 291.973,0.95 292.276,0.95 R7_B.1@292.335,0.892
  Top_Signal_Layer w0.152: v1(201.505,3.323) 203.175,3.323 203.617,2.881 203.745,2.881 204.569,2.057 239.554,2.057 240.371,2.873 245.488,2.873 245.948,3.333 v1(252.202,3.333)
  Bottom Layer w0.152: v1(252.202,3.333) 254.643,0.892 260.772,0.892 261.321,0.343 275.704,0.343 276.253,0.892 278.845,0.892 279.492,0.244 291.267,0.244 v1(291.732,0.709) 291.604,0.709 v1@291.566,0.747
Led8_C: R7_C.1 U3_C.7 | length 25.9
  Top Layer w0.152: U3_C.7@413.942,2.666 413.942,2.466 414.492,1.916 427.233,1.916 428.199,0.95 R7_C.1@439.038,0.95
LedCLK_A: J3.1 U3_A.11 U3_B.11 U3_C.11 | length 352.9
  Top Layer w0.152: U3_A.11@79.542,2.55 80.493,2.55 v1(81.647,1.396) ; U3_B.11@204.948,3.823 208.781,3.823 208.942,3.662 v1(209.036,3.662) ; v1(340.625,6.431) 340.625,8.257 341.1,8.732 J3.1@341.1,10.95 ; U3_C.11@413.442,4.966 v1(413.442,5.618)
  Top_Signal_Layer w0.152: v1(81.724,2.924) 82.295,2.924 82.843,3.471 138.829,3.471 139.564,2.736 163.128,2.736 163.783,3.391 174.123,3.391 174.767,2.747 194.228,2.747 194.872,3.391 199.091,3.391 200.156,4.456 204.387,4.456 205.18,3.662 v1(209.036,3.662) 214.881,3.662 215.62,2.923 238.324,2.923 240.219,4.818 256.21,4.818 256.686,4.342 275.039,4.342 275.406,4.708 283.189,4.708 284.118,5.637 286.88,5.637 287.226,5.292 293.832,5.292 293.975,5.435 302.266,5.435 303.262,6.431 v1(340.625,6.431) 355.926,6.431 357.552,4.805 372.571,4.805 373.703,5.937 375.031,5.937 375.806,5.161 376.575,5.161 377.64,6.226 399.598,6.226 400.26,5.565 411.065,5.565 411.671,4.958 413.185,4.958 413.375,5.149 413.375,5.552 v1(413.442,5.618)
  Bottom Layer w0.152: v1(81.647,1.396) 81.724,1.472 v1(81.724,2.924)
LedDataIn_A: J3.6 U3_A.14 | length 282.8
  Top Layer w0.152: U3_A.14@79.542,4.05 80.1,4.05 80.6,3.55 186.558,3.55 189.164,6.156 v1@189.122,6.198 ; v1(217.161,5.41) 218.036,4.535 265.895,4.535 266.458,5.099 v1(267.508,5.099) ; v1(342.1,13.31) J3.6@342.1,14.55
  Bottom Layer w0.152: v1(189.122,6.223) 190.722,7.823 197.902,7.823 202.2,3.525 208.018,3.525 211.792,7.3 215.256,7.3 217.146,5.41 v1(217.161,5.41) ; v1(267.508,5.099) 267.508,4.239 267.715,4.033 274.515,4.033 274.555,4.073 281.584,4.073 281.71,4.199 287.289,4.199 288.51,2.978 336.322,2.978 337.191,2.109 340.585,2.109 342.1,3.624 v1(342.1,13.31)
LedDataIn_B: U3_A.9 U3_B.14 | length 135.9
  Top Layer w0.152: U3_A.9@78.642,1.65 78.642,1.547 78.716,1.473 v3(79.496,1.473) ; U3_B.14@204.948,5.323 204.993,5.278 206.984,5.278 v3(207.029,5.232)
  Top_Signal_Layer w0.152: v1(84.429,4.51) 145.859,4.51 146.58,5.231 154.81,5.231 155.805,6.226 184.617,6.226 185.33,5.513 191.366,5.513 192.018,6.165 195.654,6.165 196.004,5.815 196.876,5.815 197.641,6.58 198.156,6.58 198.427,6.309 203.609,6.309 204.085,5.833 206.508,5.833 207.029,5.312 v3(207.029,5.232)
  Bottom Layer w0.152: v3(79.496,1.473) 80.049,0.92 82.915,0.92 84.429,2.434 v1(84.429,4.51)